# EAGLE board RedBoard-Panel (EAGLE 9.6.2), part 3 of 6 (continued)
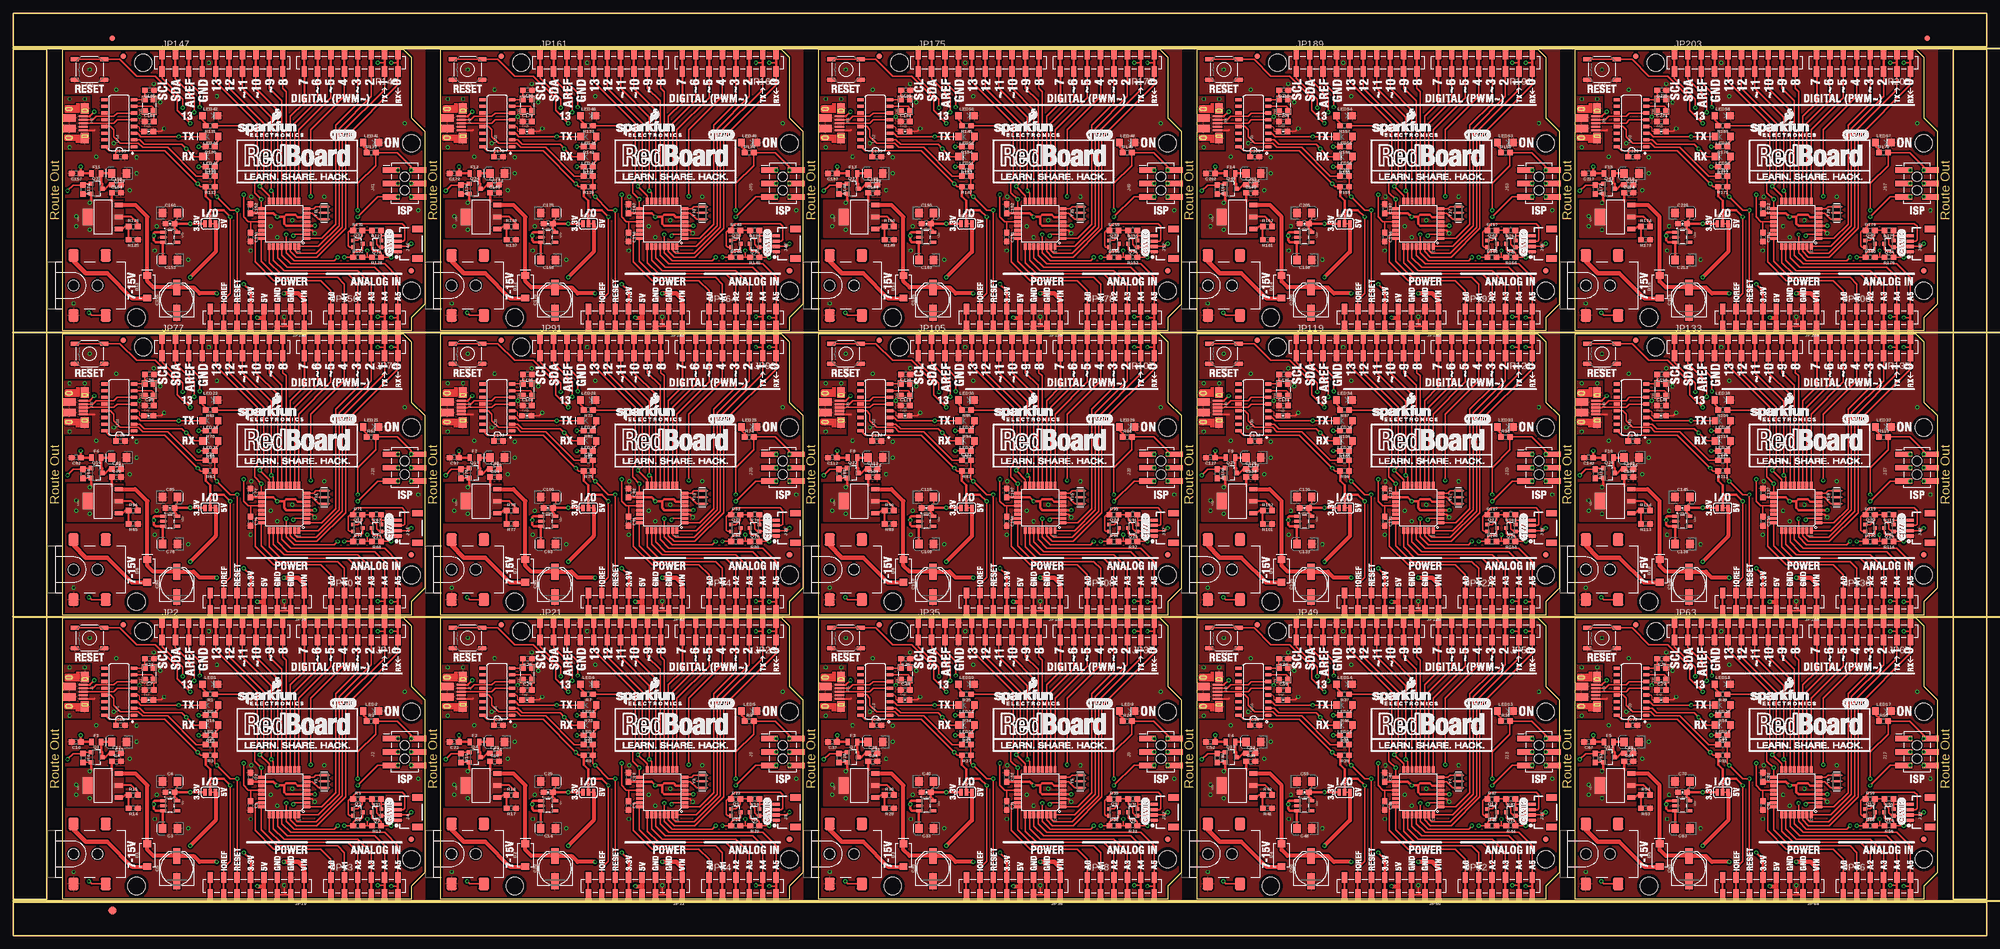
[diagram p0: board, top side]
## Tracks (layer width: path | path; a pad name or v marks a point on that pad's centre or on a via) (continued)
  Bottom 0.305: 277.62,70.36 261.11,70.36 255.02,76.45 255.02,96.27 v249.17,102.11 | v283.97,63.37 277.62,69.72 277.62,70.36 | 277.62,70.36 JP124.2
AD4/SDA9  (via drill 0.38)
  Top 0.254: JP136.5B 356.87,63.37 | JP133.2A JP133.2B
  Top 0.305: U38.27 336.62,74.61 338.46,72.77 354.97,72.77 356.87,70.87 356.87,63.37 | 356.87,63.37 JP136.5A | JP133.2B 317.25,108.46 320.8,104.9 v320.8,102.11 | v355.6,63.37 356.87,63.37
  Bottom 0.305: 349.25,70.36 332.74,70.36 326.64,76.45 326.64,96.27 v320.8,102.11 | v355.6,63.37 349.25,69.72 349.25,70.36 | 349.25,70.36 JP138.2
AD4/SDA10  (via drill 0.38)
  Top 0.254: JP150.5B 70.36,117.22 | JP147.2A JP147.2B
  Top 0.305: U42.27 50.11,128.45 51.94,126.62 68.45,126.62 70.36,124.71 70.36,117.22 | 70.36,117.22 JP150.5A | JP147.2B 30.73,162.31 34.29,158.75 v34.29,155.96 | v69.09,117.22 70.36,117.22
  Bottom 0.305: 62.74,124.21 46.23,124.21 40.13,130.3 40.13,150.11 v34.29,155.96 | v69.09,117.22 62.74,123.57 62.74,124.21 | 62.74,124.21 JP152.2
AD4/SDA11  (via drill 0.38)
  Top 0.254: JP164.5B 141.99,117.22 | JP161.2A JP161.2B
  Top 0.305: U46.27 121.74,128.45 123.57,126.62 140.08,126.62 141.99,124.71 141.99,117.22 | 141.99,117.22 JP164.5A | JP161.2B 102.36,162.31 105.92,158.75 v105.92,155.96 | v140.72,117.22 141.99,117.22
  Bottom 0.305: 134.37,124.21 117.86,124.21 111.76,130.3 111.76,150.11 v105.92,155.96 | v140.72,117.22 134.37,123.57 134.37,124.21 | 134.37,124.21 JP166.2
AD4/SDA12  (via drill 0.38)
  Top 0.254: JP178.5B 213.61,117.22 | JP175.2A JP175.2B
  Top 0.305: U50.27 193.36,128.45 195.2,126.62 211.71,126.62 213.61,124.71 213.61,117.22 | 213.61,117.22 JP178.5A | JP175.2B 173.99,162.31 177.55,158.75 v177.55,155.96 | v212.34,117.22 213.61,117.22
  Bottom 0.305: 205.99,124.21 189.48,124.21 183.39,130.3 183.39,150.11 v177.55,155.96 | v212.34,117.22 205.99,123.57 205.99,124.21 | 205.99,124.21 JP180.2
AD4/SDA13  (via drill 0.38)
  Top 0.254: JP192.5B 285.24,117.22 | JP189.2A JP189.2B
  Top 0.305: U54.27 264.99,128.45 266.83,126.62 283.34,126.62 285.24,124.71 285.24,117.22 | 285.24,117.22 JP192.5A | JP189.2B 245.62,162.31 249.17,158.75 v249.17,155.96 | v283.97,117.22 285.24,117.22
  Bottom 0.305: 277.62,124.21 261.11,124.21 255.02,130.3 255.02,150.11 v249.17,155.96 | v283.97,117.22 277.62,123.57 277.62,124.21 | 277.62,124.21 JP194.2
AD4/SDA14  (via drill 0.38)
  Top 0.254: JP206.5B 356.87,117.22 | JP203.2A JP203.2B
  Top 0.305: U58.27 336.62,128.45 338.46,126.62 354.97,126.62 356.87,124.71 356.87,117.22 | 356.87,117.22 JP206.5A | JP203.2B 317.25,162.31 320.8,158.75 v320.8,155.96 | v355.6,117.22 356.87,117.22
  Bottom 0.305: 349.25,124.21 332.74,124.21 326.64,130.3 326.64,150.11 v320.8,155.96 | v355.6,117.22 349.25,123.57 349.25,124.21 | 349.25,124.21 JP208.2
AD5
  Top 0.254: JP24.2A JP24.2B
  Top 0.305: U6.24 118.64,20.04 121.67,17.02 133.1,17.02 134.37,15.75 JP24.2A
AD5/SCL  (via drill 0.38)
  Top 0.254: 72.9,9.4 JP13.6B | JP2.1A JP2.1B
  Top 0.305: U4.28 50.91,21.23 52.58,19.56 70.36,19.56 72.9,17.02 JP13.6A 72.9,9.4 v71.63,9.4 | JP2.1B 28.19,54.74 32.13,50.8 v32.13,49.15
  Bottom 0.305: v32.13,49.15 39.5,41.78 39.5,21.97 45.72,15.75 61.34,15.75 68.58,8.51 70.74,8.51 v71.63,9.4 JP12.2
AD5/SCL1  (via drill 0.38)
  Top 0.254: 144.53,9.4 JP24.6B | JP21.1A JP21.1B
  Top 0.305: U6.28 122.54,21.23 124.21,19.56 141.99,19.56 144.53,17.02 JP24.6A 144.53,9.4 v143.26,9.4 | JP21.1B 99.82,54.74 103.76,50.8 v103.76,49.15
  Bottom 0.305: v103.76,49.15 111.12,41.78 111.12,21.97 117.35,15.75 132.97,15.75 140.21,8.51 142.37,8.51 v143.26,9.4 JP25.2
AD5/SCL2  (via drill 0.38)
  Top 0.254: 216.15,9.4 JP38.6B | JP35.1A JP35.1B
  Top 0.305: U10.28 194.16,21.23 195.83,19.56 213.61,19.56 216.15,17.02 JP38.6A 216.15,9.4 v214.88,9.4 | JP35.1B 171.45,54.74 175.39,50.8 v175.39,49.15
  Bottom 0.305: v175.39,49.15 182.75,41.78 182.75,21.97 188.98,15.75 204.6,15.75 211.84,8.51 214,8.51 v214.88,9.4 JP39.2
AD5/SCL3  (via drill 0.38)
  Top 0.254: 287.78,9.4 JP52.6B | JP49.1A JP49.1B
  Top 0.305: U14.28 265.79,21.23 267.46,19.56 285.24,19.56 287.78,17.02 JP52.6A 287.78,9.4 v286.51,9.4 | JP49.1B 243.08,54.74 247.01,50.8 v247.01,49.15
  Bottom 0.305: v247.01,49.15 254.38,41.78 254.38,21.97 260.6,15.75 276.23,15.75 283.46,8.51 285.62,8.51 v286.51,9.4 JP53.2
AD5/SCL4  (via drill 0.38)
  Top 0.254: 359.41,9.4 JP66.6B | JP63.1A JP63.1B
  Top 0.305: U18.28 337.42,21.23 339.09,19.56 356.87,19.56 359.41,17.02 JP66.6A 359.41,9.4 v358.14,9.4 | JP63.1B 314.71,54.74 318.64,50.8 v318.64,49.15
  Bottom 0.305: v318.64,49.15 326.01,41.78 326.01,21.97 332.23,15.75 347.85,15.75 355.09,8.51 357.25,8.51 v358.14,9.4 JP67.2
AD5/SCL5  (via drill 0.38)
  Top 0.254: 72.9,63.25 JP80.6B | JP77.1A JP77.1B
  Top 0.305: U22.28 50.91,75.08 52.58,73.41 70.36,73.41 72.9,70.87 JP80.6A 72.9,63.25 v71.63,63.25 | JP77.1B 28.19,108.59 32.13,104.65 v32.13,103
  Bottom 0.305: v32.13,103 39.5,95.63 39.5,75.82 45.72,69.6 61.34,69.6 68.58,62.36 70.74,62.36 v71.63,63.25 JP81.2
AD5/SCL6  (via drill 0.38)
  Top 0.254: 144.53,63.25 JP94.6B | JP91.1A JP91.1B
  Top 0.305: U26.28 122.54,75.08 124.21,73.41 141.99,73.41 144.53,70.87 JP94.6A 144.53,63.25 v143.26,63.25 | JP91.1B 99.82,108.59 103.76,104.65 v103.76,103
  Bottom 0.305: v103.76,103 111.12,95.63 111.12,75.82 117.35,69.6 132.97,69.6 140.21,62.36 142.37,62.36 v143.26,63.25 JP95.2
AD5/SCL7  (via drill 0.38)
  Top 0.254: 216.15,63.25 JP108.6B | JP105.1A JP105.1B
  Top 0.305: U30.28 194.16,75.08 195.83,73.41 213.61,73.41 216.15,70.87 JP108.6A 216.15,63.25 v214.88,63.25 | JP105.1B 171.45,108.59 175.39,104.65 v175.39,103
  Bottom 0.305: v175.39,103 182.75,95.63 182.75,75.82 188.98,69.6 204.6,69.6 211.84,62.36 214,62.36 v214.88,63.25 JP109.2
AD5/SCL8  (via drill 0.38)
  Top 0.254: 287.78,63.25 JP122.6B | JP119.1A JP119.1B
  Top 0.305: U34.28 265.79,75.08 267.46,73.41 285.24,73.41 287.78,70.87 JP122.6A 287.78,63.25 v286.51,63.25 | JP119.1B 243.08,108.59 247.01,104.65 v247.01,103
  Bottom 0.305: v247.01,103 254.38,95.63 254.38,75.82 260.6,69.6 276.23,69.6 283.46,62.36 285.62,62.36 v286.51,63.25 JP123.2
AD5/SCL9  (via drill 0.38)
  Top 0.254: 359.41,63.25 JP136.6B | JP133.1A JP133.1B
  Top 0.305: U38.28 337.42,75.08 339.09,73.41 356.87,73.41 359.41,70.87 JP136.6A 359.41,63.25 v358.14,63.25 | JP133.1B 314.71,108.59 318.64,104.65 v318.64,103
  Bottom 0.305: v318.64,103 326.01,95.63 326.01,75.82 332.23,69.6 347.85,69.6 355.09,62.36 357.25,62.36 v358.14,63.25 JP137.2
AD5/SCL10  (via drill 0.38)
  Top 0.254: 72.9,117.09 JP150.6B | JP147.1A JP147.1B
  Top 0.305: U42.28 50.91,128.92 52.58,127.25 70.36,127.25 72.9,124.71 JP150.6A 72.9,117.09 v71.63,117.09 | JP147.1B 28.19,162.43 32.13,158.5 v32.13,156.84
  Bottom 0.305: v32.13,156.84 39.5,149.48 39.5,129.67 45.72,123.44 61.34,123.44 68.58,116.2 70.74,116.2 v71.63,117.09 JP151.2
AD5/SCL11  (via drill 0.38)
  Top 0.254: 144.53,117.09 JP164.6B | JP161.1A JP161.1B
  Top 0.305: U46.28 122.54,128.92 124.21,127.25 141.99,127.25 144.53,124.71 JP164.6A 144.53,117.09 v143.26,117.09 | JP161.1B 99.82,162.43 103.76,158.5 v103.76,156.84
  Bottom 0.305: v103.76,156.84 111.12,149.48 111.12,129.67 117.35,123.44 132.97,123.44 140.21,116.2 142.37,116.2 v143.26,117.09 JP165.2
AD5/SCL12  (via drill 0.38)
  Top 0.254: 216.15,117.09 JP178.6B | JP175.1A JP175.1B
  Top 0.305: U50.28 194.16,128.92 195.83,127.25 213.61,127.25 216.15,124.71 JP178.6A 216.15,117.09 v214.88,117.09 | JP175.1B 171.45,162.43 175.39,158.5 v175.39,156.84
  Bottom 0.305: v175.39,156.84 182.75,149.48 182.75,129.67 188.98,123.44 204.6,123.44 211.84,116.2 214,116.2 v214.88,117.09 JP179.2
AD5/SCL13  (via drill 0.38)
  Top 0.254: 287.78,117.09 JP192.6B | JP189.1A JP189.1B
  Top 0.305: U54.28 265.79,128.92 267.46,127.25 285.24,127.25 287.78,124.71 JP192.6A 287.78,117.09 v286.51,117.09 | JP189.1B 243.08,162.43 247.01,158.5 v247.01,156.84
  Bottom 0.305: v247.01,156.84 254.38,149.48 254.38,129.67 260.6,123.44 276.23,123.44 283.46,116.2 285.62,116.2 v286.51,117.09 JP193.2
AD5/SCL14  (via drill 0.38)
  Top 0.254: 359.41,117.09 JP206.6B | JP203.1A JP203.1B
  Top 0.305: U58.28 337.42,128.92 339.09,127.25 356.87,127.25 359.41,124.71 JP206.6A 359.41,117.09 v358.14,117.09 | JP203.1B 314.71,162.43 318.64,158.5 v318.64,156.84
  Bottom 0.305: v318.64,156.84 326.01,149.48 326.01,129.67 332.23,123.44 347.85,123.44 355.09,116.2 357.25,116.2 v358.14,117.09 JP207.2
AD6
  Top 0.254: JP24.3B 136.91,8.13
  Top 0.305: U6.25 120.14,19.82 122.3,17.65 135,17.65 136.91,15.75 136.91,8.13 JP24.3A
AD7
  Top 0.254: JP24.4A JP24.4B
  Top 0.305: U6.26 120.94,20.29 122.94,18.29 136.91,18.29 139.45,15.75 JP24.4A
AD8
  Top 0.254: JP38.1B JP38.1A
  Top 0.305: JP38.1A 203.45,14.48 201.55,16.38 192.66,16.38 189.1,19.94 189.1,24.89 189.39,25.18 U10.23
AD9
  Top 0.254: JP38.2A JP38.2B
  Top 0.305: U10.24 190.27,20.04 193.29,17.02 204.72,17.02 205.99,15.75 JP38.2A
AD10
  Top 0.254: JP38.3B 208.53,8.13
  Top 0.305: U10.25 191.76,19.82 193.93,17.65 206.63,17.65 208.53,15.75 208.53,8.13 JP38.3A
AD11
  Top 0.254: JP38.4A JP38.4B
  Top 0.305: U10.26 192.56,20.29 194.56,18.29 208.53,18.29 211.07,15.75 JP38.4A
AD12
  Top 0.254: JP52.1B JP52.1A
  Top 0.305: JP52.1A 275.08,14.48 273.18,16.38 264.29,16.38 260.73,19.94 260.73,24.89 261.02,25.18 U14.23
AD13
  Top 0.254: JP52.2A JP52.2B
  Top 0.305: U14.24 261.9,20.04 264.92,17.02 276.35,17.02 277.62,15.75 JP52.2A
AD14
  Top 0.254: JP52.3B 280.16,8.13
  Top 0.305: U14.25 263.39,19.82 265.56,17.65 278.26,17.65 280.16,15.75 280.16,8.13 JP52.3A
AD15
  Top 0.254: JP52.4A JP52.4B
  Top 0.305: U14.26 264.19,20.29 266.19,18.29 280.16,18.29 282.7,15.75 JP52.4A
AD16
  Top 0.254: JP66.1B JP66.1A
  Top 0.305: JP66.1A 346.71,14.48 344.81,16.38 335.92,16.38 332.36,19.94 332.36,24.89 332.65,25.18 U18.23
AD17
  Top 0.254: JP66.2A JP66.2B
  Top 0.305: U18.24 333.53,20.04 336.55,17.02 347.98,17.02 349.25,15.75 JP66.2A
AD18
  Top 0.254: JP66.3B 351.79,8.13
  Top 0.305: U18.25 335.02,19.82 337.19,17.65 349.89,17.65 351.79,15.75 351.79,8.13 JP66.3A
AD19
  Top 0.254: JP66.4A JP66.4B
  Top 0.305: U18.26 335.82,20.29 337.82,18.29 351.79,18.29 354.33,15.75 JP66.4A
AD20
  Top 0.254: JP80.1B JP80.1A
  Top 0.305: JP80.1A 60.2,68.33 58.29,70.23 49.4,70.23 45.85,73.79 45.85,78.74 46.13,79.03 U22.23
AD21
  Top 0.254: JP80.2A JP80.2B
  Top 0.305: U22.24 47.02,73.89 50.04,70.87 61.47,70.87 62.74,69.6 JP80.2A
AD22
  Top 0.254: JP80.3B 65.28,61.98
  Top 0.305: U22.25 48.51,73.67 50.67,71.5 63.37,71.5 65.28,69.6 65.28,61.98 JP80.3A
AD23
  Top 0.254: JP80.4A JP80.4B
  Top 0.305: U22.26 49.31,74.14 51.31,72.14 65.28,72.14 67.82,69.6 JP80.4A
AD24
  Top 0.254: JP94.1B JP94.1A
  Top 0.305: JP94.1A 131.83,68.33 129.92,70.23 121.03,70.23 117.47,73.79 117.47,78.74 117.76,79.03 U26.23
AD25
  Top 0.254: JP94.2A JP94.2B
  Top 0.305: U26.24 118.64,73.89 121.67,70.87 133.1,70.87 134.37,69.6 JP94.2A
AD26
  Top 0.254: JP94.3B 136.91,61.98
  Top 0.305: U26.25 120.14,73.67 122.3,71.5 135,71.5 136.91,69.6 136.91,61.98 JP94.3A
AD27
  Top 0.254: JP94.4A JP94.4B
  Top 0.305: U26.26 120.94,74.14 122.94,72.14 136.91,72.14 139.45,69.6 JP94.4A
AD28
  Top 0.254: JP108.1B JP108.1A
  Top 0.305: JP108.1A 203.45,68.33 201.55,70.23 192.66,70.23 189.1,73.79 189.1,78.74 189.39,79.03 U30.23
AD29
  Top 0.254: JP108.2A JP108.2B
  Top 0.305: U30.24 190.27,73.89 193.29,70.87 204.72,70.87 205.99,69.6 JP108.2A
AD30
  Top 0.254: JP108.3B 208.53,61.98
  Top 0.305: U30.25 191.76,73.67 193.93,71.5 206.63,71.5 208.53,69.6 208.53,61.98 JP108.3A
AD31
  Top 0.254: JP108.4A JP108.4B
  Top 0.305: U30.26 192.56,74.14 194.56,72.14 208.53,72.14 211.07,69.6 JP108.4A
AD32
  Top 0.254: JP122.1B JP122.1A
  Top 0.305: JP122.1A 275.08,68.33 273.18,70.23 264.29,70.23 260.73,73.79 260.73,78.74 261.02,79.03 U34.23
AD33
  Top 0.254: JP122.2A JP122.2B
  Top 0.305: U34.24 261.9,73.89 264.92,70.87 276.35,70.87 277.62,69.6 JP122.2A
AD34
  Top 0.254: JP122.3B 280.16,61.98
  Top 0.305: U34.25 263.39,73.67 265.56,71.5 278.26,71.5 280.16,69.6 280.16,61.98 JP122.3A
AD35
  Top 0.254: JP122.4A JP122.4B
  Top 0.305: U34.26 264.19,74.14 266.19,72.14 280.16,72.14 282.7,69.6 JP122.4A
AD36
  Top 0.254: JP136.1B JP136.1A
  Top 0.305: JP136.1A 346.71,68.33 344.81,70.23 335.92,70.23 332.36,73.79 332.36,78.74 332.65,79.03 U38.23
AD37
  Top 0.254: JP136.2A JP136.2B
  Top 0.305: U38.24 333.53,73.89 336.55,70.87 347.98,70.87 349.25,69.6 JP136.2A
AD38
  Top 0.254: JP136.3B 351.79,61.98
  Top 0.305: U38.25 335.02,73.67 337.19,71.5 349.89,71.5 351.79,69.6 351.79,61.98 JP136.3A
AD39
  Top 0.254: JP136.4A JP136.4B
  Top 0.305: U38.26 335.82,74.14 337.82,72.14 351.79,72.14 354.33,69.6 JP136.4A
AD40
  Top 0.254: JP150.1B JP150.1A
  Top 0.305: JP150.1A 60.2,122.17 58.29,124.08 49.4,124.08 45.85,127.64 45.85,132.59 46.13,132.87 U42.23
AD41
  Top 0.254: JP150.2A JP150.2B
  Top 0.305: U42.24 47.02,127.74 50.04,124.71 61.47,124.71 62.74,123.44 JP150.2A
AD42
  Top 0.254: JP150.3B 65.28,115.82
  Top 0.305: U42.25 48.51,127.51 50.67,125.35 63.37,125.35 65.28,123.44 65.28,115.82 JP150.3A
AD43
  Top 0.254: JP150.4A JP150.4B
  Top 0.305: U42.26 49.31,127.98 51.31,125.98 65.28,125.98 67.82,123.44 JP150.4A
AD44
  Top 0.254: JP164.1B JP164.1A
  Top 0.305: JP164.1A 131.83,122.17 129.92,124.08 121.03,124.08 117.47,127.64 117.47,132.59 117.76,132.87 U46.23
AD45
  Top 0.254: JP164.2A JP164.2B
  Top 0.305: U46.24 118.64,127.74 121.67,124.71 133.1,124.71 134.37,123.44 JP164.2A
AD46
  Top 0.254: JP164.3B 136.91,115.82
  Top 0.305: U46.25 120.14,127.51 122.3,125.35 135,125.35 136.91,123.44 136.91,115.82 JP164.3A
AD47
  Top 0.254: JP164.4A JP164.4B
  Top 0.305: U46.26 120.94,127.98 122.94,125.98 136.91,125.98 139.45,123.44 JP164.4A
AD48
  Top 0.254: JP178.1B JP178.1A
  Top 0.305: JP178.1A 203.45,122.17 201.55,124.08 192.66,124.08 189.1,127.64 189.1,132.59 189.39,132.87 U50.23
AD49
  Top 0.254: JP178.2A JP178.2B
  Top 0.305: U50.24 190.27,127.74 193.29,124.71 204.72,124.71 205.99,123.44 JP178.2A
AD50
  Top 0.254: JP178.3B 208.53,115.82
  Top 0.305: U50.25 191.76,127.51 193.93,125.35 206.63,125.35 208.53,123.44 208.53,115.82 JP178.3A
AD51
  Top 0.254: JP178.4A JP178.4B
  Top 0.305: U50.26 192.56,127.98 194.56,125.98 208.53,125.98 211.07,123.44 JP178.4A
AD52
  Top 0.254: JP192.1B JP192.1A
  Top 0.305: JP192.1A 275.08,122.17 273.18,124.08 264.29,124.08 260.73,127.64 260.73,132.59 261.02,132.87 U54.23
AD53
  Top 0.254: JP192.2A JP192.2B
  Top 0.305: U54.24 261.9,127.74 264.92,124.71 276.35,124.71 277.62,123.44 JP192.2A
AD54
  Top 0.254: JP192.3B 280.16,115.82
  Top 0.305: U54.25 263.39,127.51 265.56,125.35 278.26,125.35 280.16,123.44 280.16,115.82 JP192.3A
AD55
  Top 0.254: JP192.4A JP192.4B
  Top 0.305: U54.26 264.19,127.98 266.19,125.98 280.16,125.98 282.7,123.44 JP192.4A
AD56
  Top 0.254: JP206.1B JP206.1A
  Top 0.305: JP206.1A 346.71,122.17 344.81,124.08 335.92,124.08 332.36,127.64 332.36,132.59 332.65,132.87 U58.23
AD57
  Top 0.254: JP206.2A JP206.2B
  Top 0.305: U58.24 333.53,127.74 336.55,124.71 347.98,124.71 349.25,123.44 JP206.2A
AD58
  Top 0.254: JP206.3B 351.79,115.82
  Top 0.305: U58.25 335.02,127.51 337.19,125.35 349.89,125.35 351.79,123.44 351.79,115.82 JP206.3A
AD59
  Top 0.254: JP206.4A JP206.4B
  Top 0.305: U58.26 335.82,127.98 337.82,125.98 351.79,125.98 354.33,123.44 JP206.4A
AREF  (via drill 0.38)
  Top 0.254: JP2.3A JP2.3B
  Top 0.305: 44.96,27.58 44.56,27.58 43.69,28.45 v43.69,32.64 | 44.96,27.58 U4.20 | C1.1 44.96,27.58 | JP2.3B 33.27,53.97 35.31,51.94 v35.31,49.28
  Bottom 0.305: v35.31,49.28 43.69,40.89 v43.69,32.64
AREF1  (via drill 0.38)
  Top 0.254: JP21.3A JP21.3B
  Top 0.305: 116.59,27.58 116.19,27.58 115.32,28.45 v115.32,32.64 | 116.59,27.58 U6.20 | C9.1 116.59,27.58 | JP21.3B 104.9,53.97 106.93,51.94 v106.93,49.28
  Bottom 0.305: v106.93,49.28 115.32,40.89 v115.32,32.64
AREF2  (via drill 0.38)
  Top 0.254: JP35.3A JP35.3B
  Top 0.305: 188.21,27.58 187.81,27.58 186.94,28.45 v186.94,32.64 | 188.21,27.58 U10.20 | C31.1 188.21,27.58 | JP35.3B 176.53,53.97 178.56,51.94 v178.56,49.28
  Bottom 0.305: v178.56,49.28 186.94,40.89 v186.94,32.64
AREF3  (via drill 0.38)
  Top 0.254: JP49.3A JP49.3B
  Top 0.305: 259.84,27.58 259.44,27.58 258.57,28.45 v258.57,32.64 | 259.84,27.58 U14.20 | C46.1 259.84,27.58 | JP49.3B 248.16,53.97 250.19,51.94 v250.19,49.28
  Bottom 0.305: v250.19,49.28 258.57,40.89 v258.57,32.64
AREF4  (via drill 0.38)
  Top 0.254: JP63.3A JP63.3B
  Top 0.305: 331.47,27.58 331.07,27.58 330.2,28.45 v330.2,32.64 | 331.47,27.58 U18.20 | C61.1 331.47,27.58 | JP63.3B 319.79,53.97 321.82,51.94 v321.82,49.28
  Bottom 0.305: v321.82,49.28 330.2,40.89 v330.2,32.64
AREF5  (via drill 0.38)
  Top 0.254: JP77.3A JP77.3B
  Top 0.305: 44.96,81.43 44.56,81.43 43.69,82.3 v43.69,86.49 | 44.96,81.43 U22.20 | C76.1 44.96,81.43 | JP77.3B 33.27,107.82 35.31,105.79 v35.31,103.12
  Bottom 0.305: v35.31,103.12 43.69,94.74 v43.69,86.49
AREF6  (via drill 0.38)
  Top 0.254: JP91.3A JP91.3B
  Top 0.305: 116.59,81.43 116.19,81.43 115.32,82.3 v115.32,86.49 | 116.59,81.43 U26.20 | C91.1 116.59,81.43 | JP91.3B 104.9,107.82 106.93,105.79 v106.93,103.12
  Bottom 0.305: v106.93,103.12 115.32,94.74 v115.32,86.49
AREF7  (via drill 0.38)
  Top 0.254: JP105.3A JP105.3B
  Top 0.305: 188.21,81.43 187.81,81.43 186.94,82.3 v186.94,86.49 | 188.21,81.43 U30.20 | C106.1 188.21,81.43 | JP105.3B 176.53,107.82 178.56,105.79 v178.56,103.12
  Bottom 0.305: v178.56,103.12 186.94,94.74 v186.94,86.49
AREF8  (via drill 0.38)
  Top 0.254: JP119.3A JP119.3B
  Top 0.305: 259.84,81.43 259.44,81.43 258.57,82.3 v258.57,86.49 | 259.84,81.43 U34.20 | C121.1 259.84,81.43 | JP119.3B 248.16,107.82 250.19,105.79 v250.19,103.12
  Bottom 0.305: v250.19,103.12 258.57,94.74 v258.57,86.49
AREF9  (via drill 0.38)
  Top 0.254: JP133.3A JP133.3B
  Top 0.305: 331.47,81.43 331.07,81.43 330.2,82.3 v330.2,86.49 | 331.47,81.43 U38.20 | C136.1 331.47,81.43 | JP133.3B 319.79,107.82 321.82,105.79 v321.82,103.12
  Bottom 0.305: v321.82,103.12 330.2,94.74 v330.2,86.49
AREF10  (via drill 0.38)
  Top 0.254: JP147.3A JP147.3B
  Top 0.305: 44.96,135.27 44.56,135.27 43.69,136.14 v43.69,140.34 | 44.96,135.27 U42.20 | C151.1 44.96,135.27 | JP147.3B 33.27,161.67 35.31,159.64 v35.31,156.97
  Bottom 0.305: v35.31,156.97 43.69,148.59 v43.69,140.34
AREF11  (via drill 0.38)
  Top 0.254: JP161.3A JP161.3B
  Top 0.305: 116.59,135.27 116.19,135.27 115.32,136.14 v115.32,140.34 | 116.59,135.27 U46.20 | C166.1 116.59,135.27 | JP161.3B 104.9,161.67 106.93,159.64 v106.93,156.97
  Bottom 0.305: v106.93,156.97 115.32,148.59 v115.32,140.34
AREF12  (via drill 0.38)
  Top 0.254: JP175.3A JP175.3B
  Top 0.305: 188.21,135.27 187.81,135.27 186.94,136.14 v186.94,140.34 | 188.21,135.27 U50.20 | C181.1 188.21,135.27 | JP175.3B 176.53,161.67 178.56,159.64 v178.56,156.97
  Bottom 0.305: v178.56,156.97 186.94,148.59 v186.94,140.34
AREF13  (via drill 0.38)
  Top 0.254: JP189.3A JP189.3B
  Top 0.305: 259.84,135.27 259.44,135.27 258.57,136.14 v258.57,140.34 | 259.84,135.27 U54.20 | C196.1 259.84,135.27 | JP189.3B 248.16,161.67 250.19,159.64 v250.19,156.97
  Bottom 0.305: v250.19,156.97 258.57,148.59 v258.57,140.34
AREF14  (via drill 0.38)
  Top 0.254: JP203.3A JP203.3B
  Top 0.305: 331.47,135.27 331.07,135.27 330.2,136.14 v330.2,140.34 | 331.47,135.27 U58.20 | C211.1 331.47,135.27 | JP203.3B 319.79,161.67 321.82,159.64 v321.82,156.97
  Bottom 0.305: v321.82,156.97 330.2,148.59 v330.2,140.34
GND  (via drill 0.38, 0.38 pad 0.51)
  Top 0.254: 52.58,7.75 51.81,7.75 51.62,7.94 51.31,8.25 v51.31,9.52 | v28.57,45.21 28.02,44.65 C17.2
  Top 0.305: U4.3 56.57,25.98 v57.15,25.4 | JP10.3 51.44,7.75 51.62,7.94
  Top 0.381: J1.GND 15.43,44.9
  other vias: 14.48,56.39 74.17,46.23 50.04,24.64 37.08,57.66 52.83,27.81 58.93,32.26 45.08,32.26 11.43,12.06 38.61,51.31 76.71,29.72 27.18,26.67 26.8,22.1 75.44,32.26 15.75,39.88 23.37,36.7 23.37,39.75 22.1,33.53 19.05,42.42 19.56,52.58 33.15,20.32 44.96,22.1 48.77,26.67 26.64,53.64 27.84,50.22 23.93,47.47
  pour Top (isolate 0.305, rank 2): 9.4,60.2 77.98,60.2 77.98,6.86 9.4,6.86
  pour Bottom (isolate 0.305, rank 2): 9.4,60.2 77.98,60.2 77.98,6.86 9.4,6.86
GND1  (via drill 0.38, 0.38 pad 0.51)
  Top 0.254: 124.21,7.75 123.44,7.75 123.25,7.94 122.94,8.25 v122.94,9.52 | v100.2,45.21 99.64,44.65 C27.2
  Top 0.305: U6.3 128.2,25.98 v128.78,25.4 | JP22.3 123.06,7.75 123.25,7.94
  Top 0.381: J7.GND 87.06,44.9
  other vias: 86.11,56.39 145.8,46.23 121.67,24.64 108.71,57.66 124.46,27.81 130.56,32.26 116.71,32.26 83.06,12.06 110.24,51.31 148.34,29.72 98.81,26.67 98.42,22.1 147.07,32.26 87.38,39.88 95,36.7 95,39.75 93.73,33.53 90.68,42.42 91.19,52.58 104.77,20.32 116.59,22.1 120.4,26.67 98.27,53.64 99.47,50.22 95.55,47.47
  pour Top (isolate 0.305, rank 2): 81.03,60.2 149.61,60.2 149.61,6.86 81.03,6.86
  pour Bottom (isolate 0.305, rank 2): 81.03,60.2 149.61,60.2 149.61,6.86 81.03,6.86
GND2  (via drill 0.38, 0.38 pad 0.51)
  Top 0.254: 195.83,7.75 195.07,7.75 194.88,7.94 194.56,8.25 v194.56,9.52 | v171.83,45.21 171.27,44.65 C42.2
  Top 0.305: U10.3 199.83,25.98 v200.41,25.4 | JP36.3 194.69,7.75 194.88,7.94
  Top 0.381: J11.GND 158.69,44.9
  other vias: 157.73,56.39 217.42,46.23 193.29,24.64 180.34,57.66 196.09,27.81 202.18,32.26 188.34,32.26 154.69,12.06 181.86,51.31 219.96,29.72 170.43,26.67 170.05,22.1 218.69,32.26 159,39.88 166.62,36.7 166.62,39.75 165.35,33.53 162.31,42.42 162.81,52.58 176.4,20.32 188.21,22.1 192.02,26.67 169.9,53.64 171.09,50.22 167.18,47.47
  pour Top (isolate 0.305, rank 2): 152.65,60.2 221.23,60.2 221.23,6.86 152.65,6.86
  pour Bottom (isolate 0.305, rank 2): 152.65,60.2 221.23,60.2 221.23,6.86 152.65,6.86
GND3  (via drill 0.38, 0.38 pad 0.51)
  Top 0.254: 267.46,7.75 266.7,7.75 266.51,7.94 266.19,8.25 v266.19,9.52 | v243.46,45.21 242.9,44.65 C57.2
  Top 0.305: U14.3 271.46,25.98 v272.03,25.4 | JP50.3 266.32,7.75 266.51,7.94
  Top 0.381: J15.GND 230.32,44.9
  other vias: 229.36,56.39 289.05,46.23 264.92,24.64 251.97,57.66 267.72,27.81 273.81,32.26 259.97,32.26 226.31,12.06 253.49,51.31 291.59,29.72 242.06,26.67 241.68,22.1 290.32,32.26 230.63,39.88 238.25,36.7 238.25,39.75 236.98,33.53 233.93,42.42 234.44,52.58 248.03,20.32 259.84,22.1 263.65,26.67 241.53,53.64 242.72,50.22 238.81,47.47
  pour Top (isolate 0.305, rank 2): 224.28,60.2 292.86,60.2 292.86,6.86 224.28,6.86
  pour Bottom (isolate 0.305, rank 2): 224.28,60.2 292.86,60.2 292.86,6.86 224.28,6.86
GND4  (via drill 0.38, 0.38 pad 0.51)
  Top 0.254: 339.09,7.75 338.33,7.75 338.14,7.94 337.82,8.25 v337.82,9.52 | v315.09,45.21 314.53,44.65 C72.2
  Top 0.305: U18.3 343.08,25.98 v343.66,25.4 | JP64.3 337.95,7.75 338.14,7.94
  Top 0.381: J19.GND 301.95,44.9
  other vias: 300.99,56.39 360.68,46.23 336.55,24.64 323.6,57.66 339.34,27.81 345.44,32.26 331.6,32.26 297.94,12.06 325.12,51.31 363.22,29.72 313.69,26.67 313.31,22.1 361.95,32.26 302.26,39.88 309.88,36.7 309.88,39.75 308.61,33.53 305.56,42.42 306.07,52.58 319.66,20.32 331.47,22.1 335.28,26.67 313.16,53.64 314.35,50.22 310.44,47.47
  pour Top (isolate 0.305, rank 2): 295.91,60.2 364.49,60.2 364.49,6.86 295.91,6.86
  pour Bottom (isolate 0.305, rank 2): 295.91,60.2 364.49,60.2 364.49,6.86 295.91,6.86
GND5  (via drill 0.38, 0.38 pad 0.51)
  Top 0.254: 52.58,61.6 51.81,61.6 51.62,61.79 51.31,62.1 v51.31,63.37 | v28.57,99.06 28.02,98.5 C87.2
  Top 0.305: U22.3 56.57,79.83 v57.15,79.25 | JP78.3 51.44,61.6 51.62,61.79
  Top 0.381: J23.GND 15.43,98.75
  other vias: 14.48,110.24 74.17,100.08 50.04,78.49 37.08,111.51 52.83,81.66 58.93,86.11 45.08,86.11 11.43,65.91 38.61,105.16 76.71,83.57 27.18,80.52 26.8,75.95 75.44,86.11 15.75,93.73 23.37,90.55 23.37,93.6 22.1,87.38 19.05,96.27 19.56,106.43 33.15,74.17 44.96,75.95 48.77,80.52 26.64,107.49 27.84,104.06 23.93,101.32
  pour Top (isolate 0.305, rank 2): 9.4,114.05 77.98,114.05 77.98,60.71 9.4,60.71
  pour Bottom (isolate 0.305, rank 2): 9.4,114.05 77.98,114.05 77.98,60.71 9.4,60.71
GND6  (via drill 0.38, 0.38 pad 0.51)
  Top 0.254: 124.21,61.6 123.44,61.6 123.25,61.79 122.94,62.1 v122.94,63.37 | v100.2,99.06 99.64,98.5 C102.2
  Top 0.305: U26.3 128.2,79.83 v128.78,79.25 | JP92.3 123.06,61.6 123.25,61.79
  Top 0.381: J27.GND 87.06,98.75
  other vias: 86.11,110.24 145.8,100.08 121.67,78.49 108.71,111.51 124.46,81.66 130.56,86.11 116.71,86.11 83.06,65.91 110.24,105.16 148.34,83.57 98.81,80.52 98.42,75.95 147.07,86.11 87.38,93.73 95,90.55 95,93.6 93.73,87.38 90.68,96.27 91.19,106.43 104.77,74.17 116.59,75.95 120.4,80.52 98.27,107.49 99.47,104.06 95.55,101.32
  pour Top (isolate 0.305, rank 2): 81.03,114.05 149.61,114.05 149.61,60.71 81.03,60.71
  pour Bottom (isolate 0.305, rank 2): 81.03,114.05 149.61,114.05 149.61,60.71 81.03,60.71
GND7  (via drill 0.38, 0.38 pad 0.51)
  Top 0.254: 195.83,61.6 195.07,61.6 194.88,61.79 194.56,62.1 v194.56,63.37 | v171.83,99.06 171.27,98.5 C117.2
  Top 0.305: U30.3 199.83,79.83 v200.41,79.25 | JP106.3 194.69,61.6 194.88,61.79
  Top 0.381: J31.GND 158.69,98.75